# Altium PCB Steam_dev_kit_revised.PcbDoc (part 3 of 3)
Units mil, origin at the board's own origin, x right, y up, seen from the top; angles counter-clockwise.
Board outline 3928.81 x 3902.03 mil, 2 copper layers (Top Layer, Bottom Layer); 218 components, 238 nets, 968 pads, 458 vias.
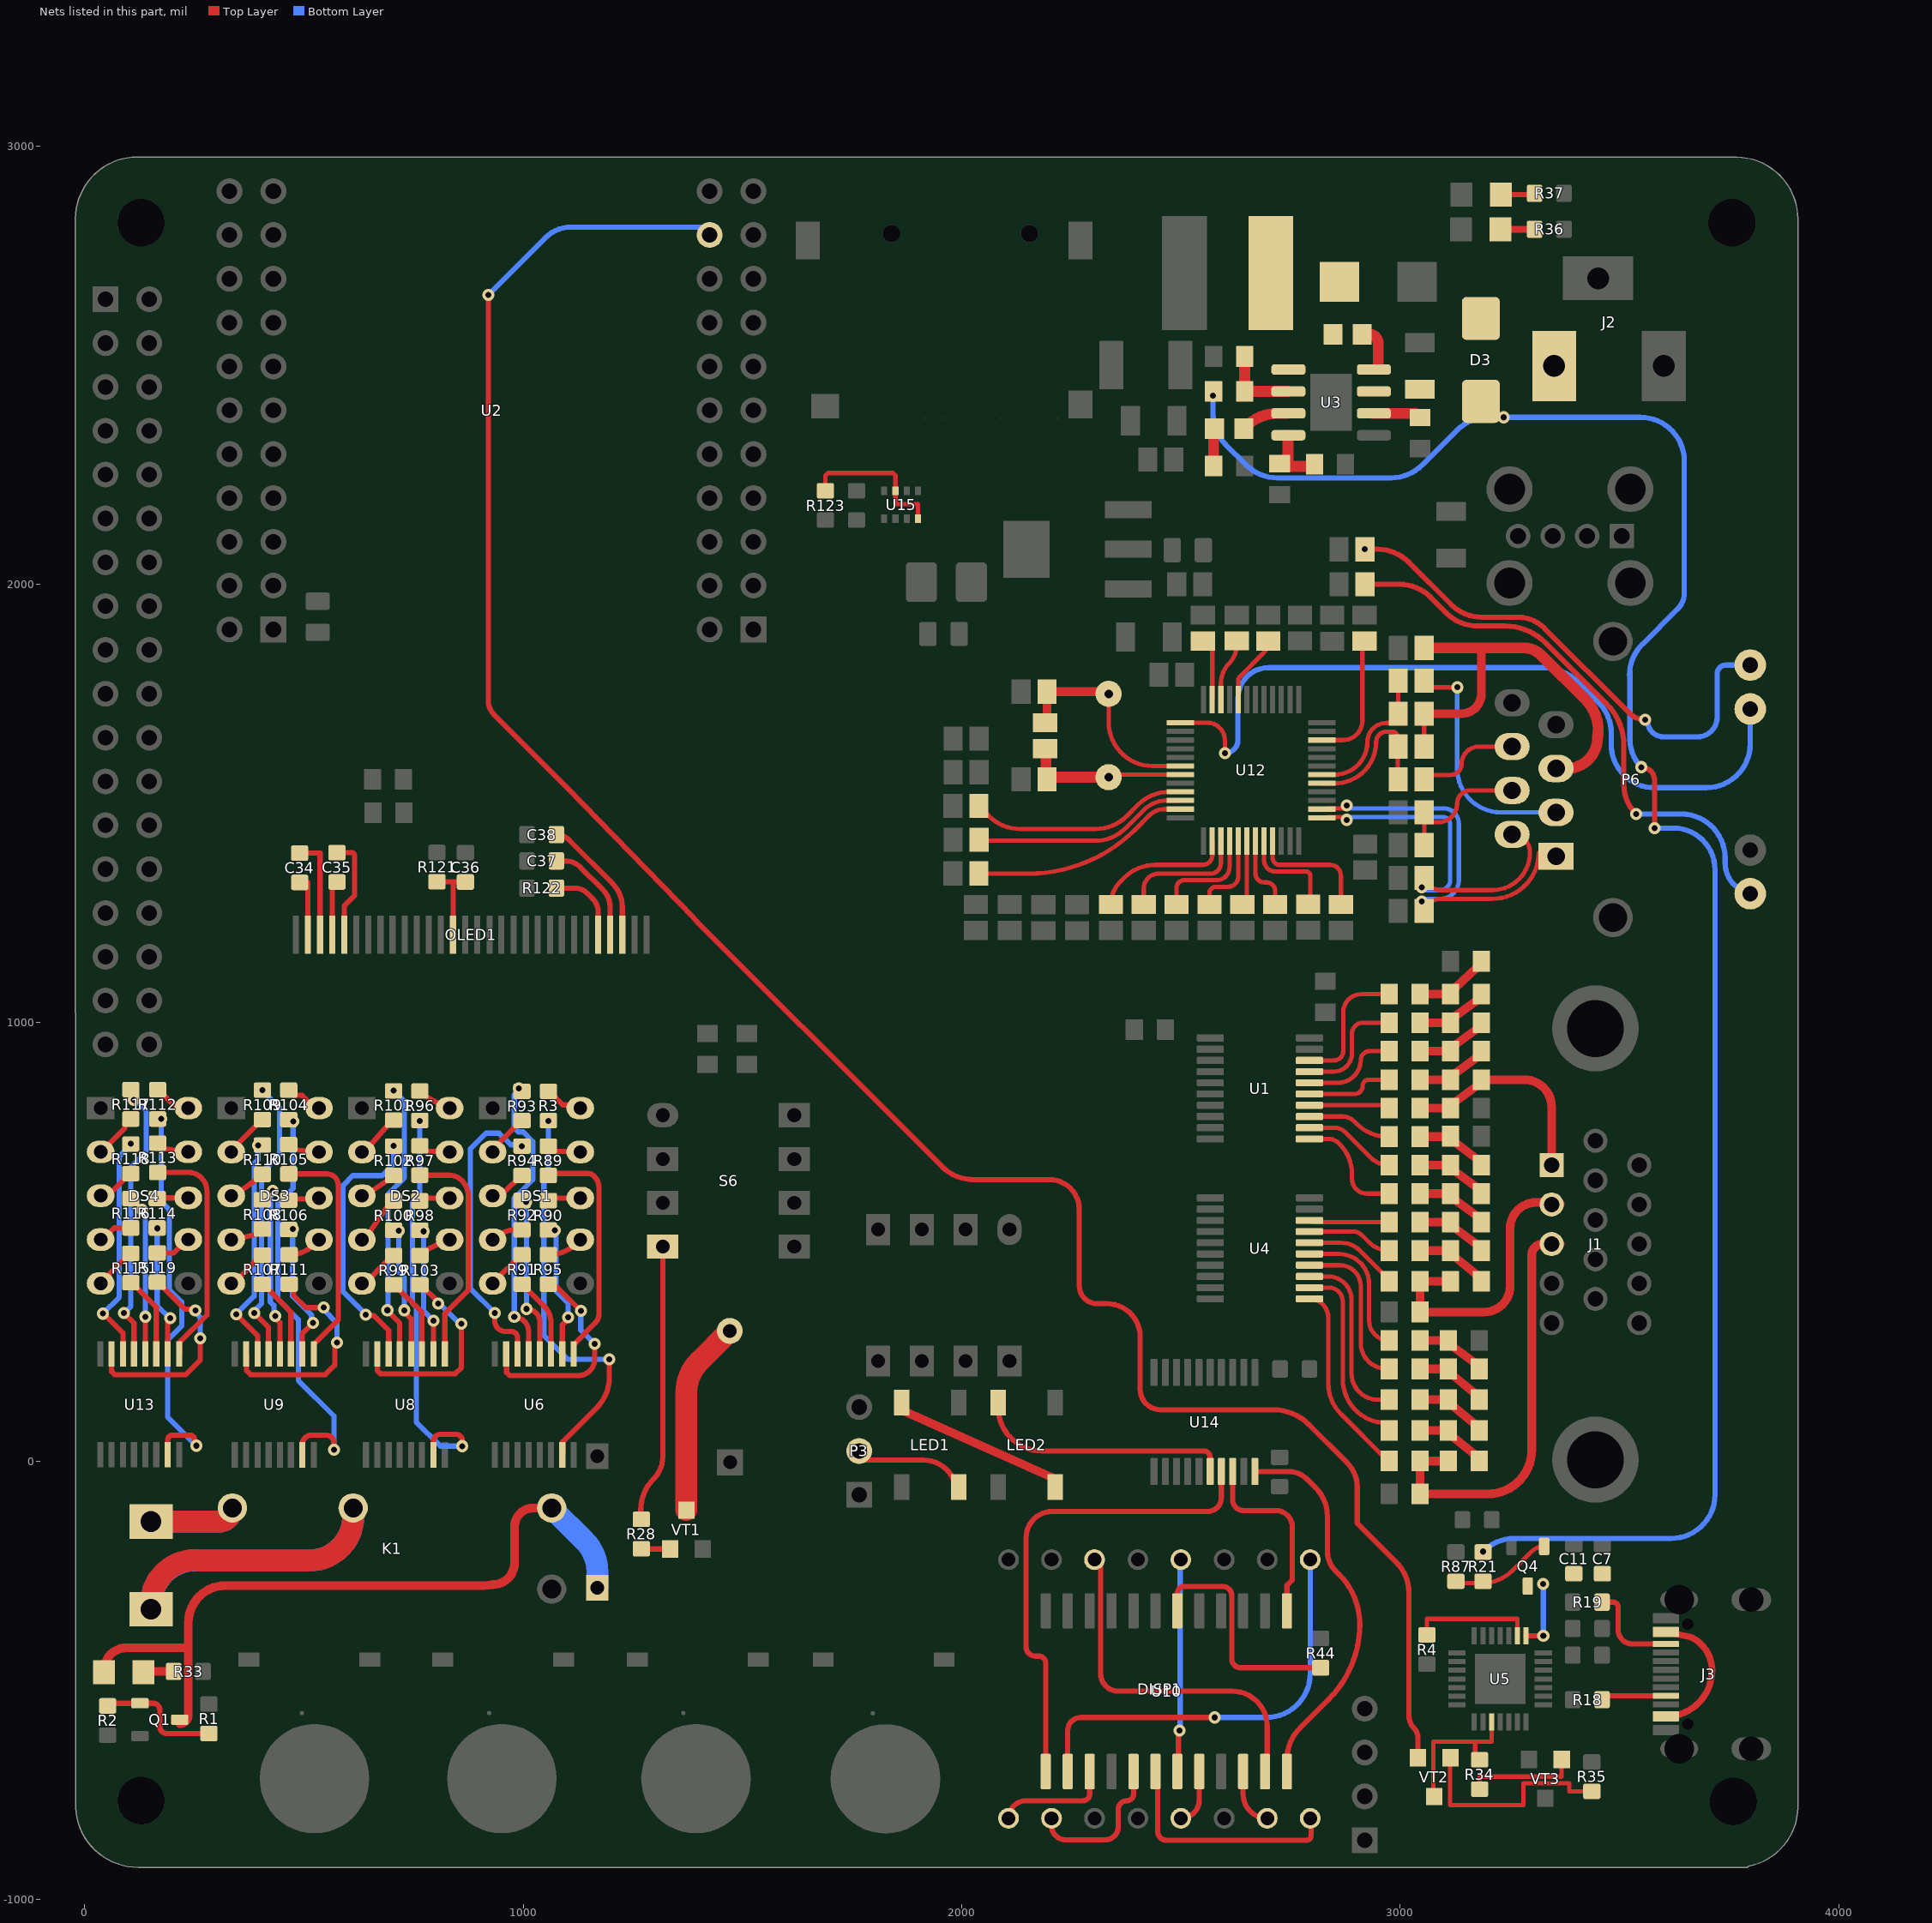
[diagram p3: the nets of this part, all layers, seen from the top]

## Via types
v1: diameter 27.56, hole 13.78, Top Layer to Bottom Layer, tented both sides, 454 vias
v2: diameter 27.56, hole 13.78, Top Layer to Bottom Layer, 2 vias
v3: diameter 140, hole 140, Top Layer to Bottom Layer, tented both sides, 2 vias

## Nets (pads, with @x,y where several pads share a name; then routed paths per layer and width w, separated by ;. In a path a pad name is that pad's centre, name@x,y a point inside that pad or via, vN(x,y) a via of type N, cw(c..) or ccw(c..) an arc to the next point about the centre after c; other vN are vias at no path point) (continued)
LINKLED: P6.11 U12.25 | length 1799.8
  Top Layer w10: U12.25@2498.58,1684.05 2560.95,1684.05 cw(c2560.95,1645) 2570.27,1682.92 cw(c2560.95,1645) 2600,1645 v1(2600,1615)
  Bottom Layer w12: v1(2600,1615) ccw(c2600,1645) 2605.21,1615.46 ccw(c2600,1645) 2627.99,1634.2 ccw(c2600,1645) 2630,1645 2630,1740 cw(c2700,1740) 2700,1810 3324.6,1810 cw(c3324.6,1693.14) 3407.23,1775.77 3452.17,1730.83 cw(c3381.46,1660.12) 3481.46,1660.12 3481.46,1634.96 ccw(c3581.46,1634.96) 3484.65,1609.92 ccw(c3581.46,1634.96) 3510.75,1564.25 ccw(c3578.95,1632.45) 3578.95,1536 3698.31,1536 ccw(c3698.31,1636) 3798.31,1636 P6.11@3798.31,1715.63
MT_CLK: U10.13 U14.18 | length 432.2
  Top Layer w12: U14.18@2617.77,-23.98 2617.77,-88 ccw(c2642.77,-88) 2632.56,-110.82 ccw(c2642.77,-88) 2642.77,-113 2716.5,-113 cw(c2716.5,-150.5) 2732.66,-116.66 cw(c2716.5,-150.5) 2750.34,-134.34 cw(c2716.5,-150.5) 2754,-150.5 2754,-271.13 2741.75,-283.38 U10.13@2741.75,-341.73
MT_CS: U10.12 U14.20 | length 880.3
  Top Layer w12: U14.20@2668.95,-23.98 2745.21,-23.98 cw(c2745.21,-83.79) 2787.5,-41.5 2807.13,-61.13 cw(c2742.26,-126) 2834,-126 2834,-205.79 ; U10.12@2741.75,-708.27 2741.75,-680.42 cw(c2841.75,-680.42) 2771.04,-609.71 2836.67,-544.08 ccw(c2665.01,-372.34) 2907.83,-372.38 ccw(c2746.79,-372.53) 2860.31,-258.31 2860.07,-258.07 2852.5,-250.5 cw(c2897.16,-205.84) 2834,-205.84
MT_DIN: U10.1 U14.17 | length 1119.5
  Top Layer w12: U10.1@2191.75,-708.27 2191.75,-461.44 ccw(c2175.31,-461.44) 2175.31,-445 2167.77,-445 cw(c2167.77,-423.98) 2146.75,-423.98 2146.75,-175 cw(c2206.75,-175) 2206.75,-115 2561,-115 ccw(c2561,-83.82) 2592.18,-83.82 U14.17@2592.18,-23.98
NetC1_1: C1.1 U3.8 | length 97.8
  Top Layer w25: C1.1@2913.46,2570 2930,2570 cw(c2930,2550) 2950,2550 U3.8@2950,2500.12
NetC1_2: C1.2 D5.2 L4.1 U3.1
NetC2_1: C2.1 U3.3 | length 109.3
  Top Layer w25: C2.1@2643.46,2355 2649.18,2360.71 cw(c2719.89,2290) 2719.89,2390 U3.3@2742.56,2390
NetC2_2: C2.2 R45.1 | length 86.1
  Top Layer w25: R45.1@2574.57,2270 2574.57,2353.03 cw(c2576.54,2353.03) C2.2@2576.54,2355
NetC29_1: C29.1 U12.20 | length 159.4
  Top Layer w10: U12.20@2630.47,1737.2 2630.47,1779.07 cw(c2645.93,1779.07) 2635,1790 2687.52,1842.52 ccw(c2659.49,1870.55) C29.1@2699.13,1870.55
NetC34_1: C34.1 OLED1.2 | length 138
  Top Layer w12: C34.1@490,1320 508.94,1320 OLED1.2@508.94,1200.98
NetC34_2: C34.2 OLED1.3 | length 232.4
  Top Layer w12: C34.2@490,1386.93 536.5,1386.93 OLED1.3@536.5,1200.98
NetC35_1: C35.1 OLED1.5 | length 233.6
  Top Layer w12: C35.1@575,1387.93 607.97,1387.93 cw(c607.97,1380.9) 615,1380.9 615,1290 591.61,1266.61 OLED1.5@591.61,1200.98
NetC35_2: C35.2 OLED1.4 | length 131
  Top Layer w12: OLED1.4@564.06,1200.98 564.06,1321 C35.2@575,1321
NetC36_2: C36.2 OLED1.14 R121.2 | length 185.8
  Top Layer w12: R121.2@803,1321.54 803.27,1321.27 840.44,1321.27 ; OLED1.14@839.65,1200.98 840.44,1201.78 840.44,1321.27 ; C36.2@868,1321 867.73,1321.27 840.44,1321.27
NetC37_1: C37.1 OLED1.27 | length 237.9
  Top Layer w12: C37.1@1075.46,1369 1095.73,1369 cw(c1095.73,1320.07) 1130.31,1354.69 ; 1130.33,1354.67 1181,1304 cw(c1140.01,1263) 1197.98,1263 OLED1.27@1197.98,1200.98
NetC38_1: C38.1 OLED1.28 | length 295
  Top Layer w12: C38.1@1075.46,1429 cw(c1075.46,1389) 1103.75,1417.28 1203.32,1317.71 cw(c1148.61,1263) 1225.98,1263 OLED1.28@1225.98,1200.98
NetD1_1: D1.1 K1.2 LED5.2 Q1.3 | length 1700.7
  Top Layer w20: LED5.2@44,-482 44,-477.21 cw(c95.21,-477.21) 59,-441 cw(c95.21,-477.21) 95.21,-426 236,-426 ; Q1.3@216.28,-599 ccw(c216.28,-579.28) 236,-579.28 236,-426 ; K1.2@1064.75,-107 1023,-107 ccw(c1023,-150) 980,-150 980,-232.29 cw(c930.4,-232.29) 965.95,-266.88 cw(c930.4,-232.29) 930.4,-281.9 cw(c910,-184) 910,-284 321,-284 ccw(c321,-369) 236,-369 236,-426
  Bottom Layer w50: K1.2@1064.75,-107 1139.71,-181.96 cw(c1069,-252.67) 1169,-252.67 D1.1@1169,-289
NetD3_A: D3.A J2.1
NetDS1_2: DS1.2 R93.1 | length 100.4
  Top Layer w12: DS1.2@930,705 943.4,718.4 943.4,724.91 995.03,776.54 R93.1@997,776.54
NetDS1_3: DS1.3 R94.1 | length 86.3
  Top Layer w12: DS1.3@930,605 937.5,612.5 955.99,612.5 995.03,651.54 R94.1@997,651.54
NetDS1_4: DS1.4 R92.1 | length 73
  Top Layer w12: DS1.4@930,505 cw(c984.41,450.59) 955.33,521.83 cw(c984.41,450.59) 984.41,527.54 R92.1@997,527.54
NetDS1_5: DS1.5 R91.1 | length 94.4
  Top Layer w12: DS1.5@930,405 930,405.43 995.03,470.46 R91.1@997,470.46
NetDS1_7: DS1.7 R95.1 | length 83.3
  Top Layer w12: R95.1@1057,470.46 ccw(c1057,563.33) 1115.13,490.91 ccw(c1057,563.33) 1122.66,497.66 DS1.7@1130,505
NetDS1_8: DS1.8 R90.1 | length 74.3
  Top Layer w12: R90.1@1057,594 1070.69,600 DS1.8@1130,600
NetDS1_9: DS1.9 R89.1 | length 77.4
  Top Layer w12: R89.1@1057,718.46 1070.69,706.75 1124.09,705 DS1.9@1130,705
NetDS1_10: DS1.10 R3.1 | length 88.5
  Top Layer w12: R3.1@1057.46,843.49 1059.43,843.49 1090.42,812.5 1122.5,812.5 DS1.10@1130,805
NetDS2_2: DS2.2 R101.1 | length 104.2
  Top Layer w12: DS2.2@632,705 637.91,705 690.31,765.82 R101.1@704,777.54
NetDS2_3: DS2.3 R102.1 | length 86.8
  Top Layer w12: DS2.3@632,605 637.91,605 690.31,639.82 R102.1@704,651.54
NetDS2_4: DS2.4 R100.1 | length 116.9
  Top Layer w12: DS2.4@632,505 637.91,505 690.31,581.75 R100.1@704,593.46
NetDS2_5: DS2.5 R99.1 | length 97.9
  Top Layer w12: DS2.5@632,405 637.91,405 690.31,457.21 R99.1@704,468.93
NetDS2_7: DS2.7 R103.1 | length 77.9
  Top Layer w12: R103.1@764.3,468.85 777.99,480.57 826.09,505 DS2.7@832,505
NetDS2_8: DS2.8 R98.1 | length 69.5
  Top Layer w12: R98.1@764,593.46 777.69,600 DS2.8@832,600
NetDS2_9: DS2.9 R97.1 | length 72.4
  Top Layer w12: R97.1@764,719 777.69,707.28 826.09,705 DS2.9@832,705
NetDS2_10: DS2.10 R96.1 | length 79.5
  Top Layer w12: R96.1@764,844 777.69,832.28 826.09,805 DS2.10@832,805
NetDS3_2: DS3.2 R109.1 | length 103.6
  Top Layer w12: DS3.2@334,705 334,708.97 403.03,778 R109.1@405,778
NetDS3_3: DS3.3 R110.1 | length 87.4
  Top Layer w12: DS3.3@334,605 339.91,605 391.31,642.28 R110.1@405,654
NetDS3_4: DS3.4 R108.1 | length 76.8
  Top Layer w12: DS3.4@334,505 339.91,505 391.31,517.35 R108.1@405,529.07
NetDS3_5: DS3.5 R107.1 | length 98
  Top Layer w12: DS3.5@334,405 339.91,405 391.31,458.28 R107.1@405,470
NetDS3_7: DS3.7 R111.1 | length 78.8
  Top Layer w12: R111.1@466,470.46 ccw(c466,551.25) 523.13,494.13 DS3.7@534,505
NetDS3_8: DS3.8 R106.1 | length 71.1
  Top Layer w12: R106.1@465,595 467.5,597.5 531.5,597.5 DS3.8@534,600
NetDS3_9: DS3.9 R105.1 | length 73.6
  Top Layer w12: R105.1@465,721.93 478.69,710.21 528.09,705 DS3.9@534,705
NetDS3_10: DS3.10 R104.1 | length 86
  Top Layer w12: R104.1@465,845.93 476.72,834.21 495.66,834.21 524.87,805 DS3.10@534,805
NetDS4_2: DS4.2 R117.1 | length 105.4
  Top Layer w12: DS4.2@36,705.3 37.17,705.3 91.31,759.44 91.31,768.58 103.03,780.3 R117.1@105,780.3
NetDS4_3: DS4.3 R118.1 | length 89.9
  Top Layer w12: DS4.3@36,605.3 52.5,605.3 103.03,655.83 R118.1@105,655.83
NetDS4_4: DS4.4 R116.1 | length 80
  Top Layer w12: DS4.4@36,505.3 40.54,505.3 67.08,531.83 R116.1@105,531.83
NetDS4_5: DS4.5 R115.1 | length 98.2
  Top Layer w12: DS4.5@36,405.3 36,406.73 103.03,473.76 R115.1@105,473.76
NetDS4_7: DS4.7 R119.1 | length 83.6
  Top Layer w12: R119.1@165,474.76 202.69,474.76 233.22,505.3 DS4.7@236,505.3
NetDS4_8: DS4.8 R114.1 | length 71.1
  Top Layer w12: R114.1@165,598.76 178.69,600.3 DS4.8@236,600.3
NetDS4_9: DS4.9 R113.1 | length 75
  Top Layer w12: R113.1@166,725.3 179.69,713.58 230.09,705.3 DS4.9@236,705.3
NetDS4_10: DS4.10 R112.1 | length 87.4
  Top Layer w12: R112.1@166,847.23 167.97,847.23 202.4,812.8 228.5,812.8 DS4.10@236,805.3
NetJ3_A5: J3.A5 R18.2 | length 148.6
  Top Layer w12: R18.2@3460.46,-544.45 3472.18,-535.43 J3.A5@3606,-535.43
NetJ3_B5: J3.B5 R19.2 | length 222
  Top Layer w12: R19.2@3460.46,-322 3486.06,-322 cw(c3486.06,-332.94) 3497,-332.94 3497,-384.32 ccw(c3530,-384.32) 3501.64,-401.2 ccw(c3530,-384.32) 3530,-417.32 J3.B5@3606,-417.32
NetL1_2: L1.2 R36.2 | length 77.5
  Top Layer w15: L1.2@3229,2810 R36.2@3306.54,2810
NetL2_2: L2.2 R37.2 | length 78.2
  Top Layer w12: L2.2@3230,2889 3303.54,2889 ccw(c3303.54,2892) R37.2@3306.54,2892
NetLED1_2-DOUT: LED1.2-DOUT P3.2 | length 266.8
  Top Layer w12: P3.2@1766,2 1912.95,2 1913.02,2 cw(c1913.02,-73) 1988.02,-73.34 LED1.2-DOUT@1988.01,-74.93
NetLED1_4-DIN: LED1.4-DIN LED2.2-DOUT | length 411.7
  Top Layer w20: LED1.4-DIN@1860.04,133.46 1867.76,113.93 2205.24,-36.93 LED2.2-DOUT@2212.96,-56.46
NetLED5_1: LED5.1 R33.1 | length 69.7
  Top Layer w12: LED5.1@134,-482 cw(c136,-482) LED5.1@136,-480
  Top Layer w20: LED5.1@136,-480 R33.1@202.54,-480
NetLS1_2: LS1.2 VT1.3 | length 445.7
  Top Layer w50: VT1.3@1372,-112 1372,156.58 cw(c1472,156.58) 1401.29,227.29 LS1.2@1471,297
NetOLED1_26: OLED1.26 R122.1 | length 176.3
  Top Layer w12: R122.1@1075.46,1307 1117.74,1307 cw(c1117.74,1267.74) 1145.48,1295.52 1158.24,1282.76 cw(c1127.48,1252) 1170.98,1252 OLED1.26@1170.98,1200.98
NetP6_9: P6.9 R5.2 | length 1308
  Top Layer w12: R5.2@2919.53,2000 2998.58,2000 cw(c2998.58,1900) 3069.29,1970.71 3105.71,1934.29 ccw(c3176.42,2005) 3176.42,1905 3238.58,1905 cw(c3238.58,1773.61) 3331.48,1866.52 3471.52,1726.48 cw(c3378.61,1633.58) 3510,1633.58 3510,1543.6 ccw(c3605.6,1543.6) v1(3538,1476)
  Bottom Layer w12: v1(3538,1476) 3641,1476 cw(c3641,1376) 3741,1376 3741,1364.58 ccw(c3811.44,1364.58) 3811.44,1294.13 P6.9@3817.99,1294.13
NetP6_12: P6.12 R6.2 | length 1203.4
  Top Layer w12: v1(2919.53,2080) 2948.58,2080 cw(c2948.58,1980) 3019.29,2050.71 3115.71,1954.29 ccw(c3186.42,2025) 3186.42,1925 3269,1925 cw(c3269,1840.5) 3328.75,1900.25 3523.15,1705.85 ccw(c3559,1741.7) v1(3559,1691)
  Bottom Layer w12: v1(3559,1691) ccw(c3561,1691) 3561,1689 3564,1689 ccw(c3601,1689) 3601,1652 3678,1652 ccw(c3678,1697) 3723,1697 3723,1796 cw(c3742.76,1796) 3742.76,1815.76 P6.12@3798.31,1815.76 P6.12@3817.99,1815.76
NetQ1_1: Q1.1 R1.2 R2.2 | length 290.1
  Top Layer w12: R2.2@52,-558.54 cw(c57.94,-558.54) 57.94,-552.6 Q1.1@125.72,-552.6 155.72,-552.6 cw(c155.72,-567.88) 171,-567.88 171,-606 ccw(c186.46,-606) 186.46,-621.46 R1.2@283,-621.46
NetQ4_1: Q4.1 R21.2 R87.1 | length 236.4
  Top Layer w10: R87.1@3121,-280 cw(c3124.71,-283.71) 3124.71,-278.46 3186,-278.46 3186.11,-278.46 ccw(c3186.11,-178.46) 3256.82,-249.18 3299.17,-206.83 cw(c3328.4,-236.07) Q4.1@3328.4,-194.72
NetR3_2: R3.2 U6.15 | length 924.3
  Top Layer w12: v1(1057.46,775.57) R3.2@1057.46,776.56 ; U6.15@1089,14 1090,15 1090,44 1166.93,120.93 ccw(c1096.22,191.64) 1196.22,191.64 v1(1196.22,232)
  Bottom Layer w12: v1(1057.46,775.57) 1057.46,653.46 1047,643 1047,286.5 1101.5,232 v1(1196.22,232)
NetR4_1: R4.1 U5.9 | length 281.5
  Top Layer w10: R4.1@3061,-396.54 3061,-360 3267.36,-360 U5.9@3267.36,-398.58
NetR13_2: R13.2 R49.2 U3.2 | length 177.1
  Top Layer w25: R49.2@2645.43,2520 R13.2@2645.43,2440 U3.2@2742.56,2440
NetR14_1: R14.1 R15.2 R22.1 | length 172.8
  Top Layer w19.68: R22.1@3045.43,1065 R15.2@3114.57,1065
  Top Layer w20: R15.2@3114.57,1065 3124.25,1078.62 3175.75,1126.38 R14.1@3185.43,1140
NetR15_1: R15.1 R16.2 R24.1 | length 166.4
  Top Layer w19.68: R24.1@3045.43,1000 R16.2@3114.57,1000 3124.41,1013.78 3175.59,1051.22 R15.1@3185.43,1065
NetR16_1: R16.1 R17.2 R25.1 | length 166.4
  Top Layer w19.68: R25.1@3045.43,935 R17.2@3114.57,935 3124.41,948.78 3175.59,986.22 R16.1@3185.43,1000
NetR17_1: R17.1 R20.2 R27.1 | length 166.4
  Top Layer w19.68: R27.1@3045.43,870 R20.2@3114.57,870 3124.41,883.78 3175.59,921.22 R17.1@3185.43,935
NetR28_2: R28.2 VT1.1 | length 69.1
  Top Layer w12: R28.2@1269.12,-199.93 1269.12,-200.58 VT1.1@1334.6,-200.58 ccw(c1331.9,-203.28) VT1.1@1331.9,-199.46
NetR31_1: R31.1 R47.1 U3.4 | length 138.7
  Top Layer w25: R31.1@2725,2275.43 2732.19,2282.62 2738.53,2282.62 R31.1@2740.23,2284.32 ; R31.1@2744.23,2269.17 2797.38,2269.17 R47.1@2804.57,2274 ; R31.1@2744.23,2281.32 U3.4@2744.23,2339.31
NetR34_2: R34.2 VT3.1 | length 255.2
  Top Layer w10: R34.2@3181,-748.46 3181,-720 3368.4,-720 VT3.1@3368.4,-680.71
NetR35_1: R35.1 VT2.1 | length 500.4
  Top Layer w10: VT2.1@3113.4,-675.71 3113.4,-785 3281,-785 3281,-735 3386,-735 3386,-753.46 R35.1@3436,-753.46
NetR38_1: R38.1 R39.2 R66.1 | length 167.1
  Top Layer w19.68: R66.1@3045.43,740 3055.28,740.15 3104.72,740.15 R38.1@3114.57,741.02 3124.41,727.24 3175.59,688.78 R39.2@3185.43,675
NetR39_1: R39.1 R40.2 R68.1 | length 166.4
  Top Layer w19.68: R68.1@3045.43,675 R39.1@3114.57,675 3124.41,661.22 3175.59,623.78 R40.2@3185.43,610
NetR40_1: R40.1 R41.2 R70.1 | length 166.4
  Top Layer w19.68: R70.1@3045.43,610 R40.1@3114.57,610 3124.41,596.22 3175.59,558.78 R41.2@3185.43,545
NetR41_1: R41.1 R42.2 R71.1 | length 166.4
  Top Layer w19.68: R71.1@3045.43,545 R41.1@3114.57,545 3124.41,531.22 3175.59,493.78 R42.2@3185.43,480
NetR42_1: R42.1 R43.2 R72.1 | length 169.5
  Top Layer w19.68: R72.1@3045.43,480 R42.1@3114.57,480 3124.41,466.22 3175.59,423.78 R43.2@3185.43,410
NetR44_2: R44.2 U10.18 | length 543.8
  Top Layer w12: U10.18@2491.75,-341.73 2491.75,-302 cw(c2507.75,-302) 2507.75,-286 2594.89,-286 cw(c2594.89,-306.86) 2615.75,-306.86 2615.75,-451.47 ccw(c2635.75,-451.47) 2635.75,-471.46 R44.2@2818.75,-471.46
NetR51_1: R51.1 U12.42 | length 150.6
  Top Layer w10: R51.1@2640,1269.53 ccw(c2640,1279.69) 2650.16,1279.69 U12.42@2650.16,1414.36
NetR52_1: R52.1 U12.41 | length 194.1
  Top Layer w10: R52.1@2565,1269.53 2565,1295.12 cw(c2579.88,1295.12) 2579.88,1310 2607.5,1310 ccw(c2607.5,1332.97) 2630.47,1332.97 U12.41@2630.47,1414.36
NetR53_1: R53.1 U12.40 | length 245.4
  Top Layer w10: R53.1@2490,1269.53 2490,1307.93 cw(c2507.07,1307.93) 2495,1320 cw(c2507.07,1307.93) 2507.07,1325 2580.79,1325 ccw(c2580.79,1355) 2610.79,1355 U12.40@2610.79,1414.36
NetR54_1: R54.1 U12.39 | length 262.9
  Top Layer w10: R54.1@2415,1269.53 2415,1305.86 cw(c2449.14,1305.86) 2425,1330 cw(c2449.14,1305.86) 2449.14,1340 2567.5,1340 ccw(c2567.5,1363.6) 2591.1,1363.6 2591.1,1381.1
NetR55_1: R55.1 U12.38 | length 324.5
  Top Layer w10: R55.1@2340,1269.53 cw(c2413.57,1269.53) 2361.55,1321.55 2370.77,1330.77 cw(c2441.33,1260.22) 2441.33,1360 2550,1360 ccw(c2550,1381.42) 2571.42,1381.42 U12.38@2571.42,1414.36
NetR63_2: R63.2 U12.10 | length 302
  Top Layer w10: U12.10@2821.42,1644.68 2869.66,1644.68 ccw(c2869.66,1688.78) 2889.19,1649.24 ccw(c2869.66,1688.78) 2913.76,1688.78 2913.76,1865.79 cw(c2918.53,1865.79) R63.2@2918.53,1870.55
NetR67_2: R67.2 U12.23 | length 145.5
  Top Layer w10: R67.2@2550,1870.47 cw(c2550,1849.05) 2571.42,1849.05 U12.23@2571.42,1737.2
NetR75_1: R75.1 R76.2 R80.1 | length 161.4
  Top Layer w19.68: R80.1@3045.43,275 R75.1@3109.57,275 3119.41,261.22 3170.59,223.78 R76.2@3180.43,210
NetR76_1: R76.1 R77.2 R81.1 | length 164.5
  Top Layer w20: R81.1@3045.43,210 R76.1@3109.57,210 3119.25,196.38 3170.75,153.62 R77.2@3180.43,140
NetR77_1: R77.1 R78.2 R82.1 | length 164.5
  Top Layer w20: R82.1@3045.43,140 R77.1@3109.57,140 3119.25,126.38 3170.75,83.62 R78.2@3180.43,70
NetR78_1: R78.1 R79.2 R83.1 | length 164.5
  Top Layer w20: R83.1@3045.43,70 R78.1@3109.57,70 3119.25,56.38 3170.75,13.62 R79.2@3180.43,0
NetR86_2: R86.2 U3.6 | length 115.9
  Top Layer w25: U3.6@2937.44,2390 3030.43,2390 cw(c3030.43,2375.43) R86.2@3045,2375.43
NetR89_2: R89.2 U6.1 | length 539.6
  Top Layer w12: R89.2@1057,651.54 1061.46,656 1147.98,656 cw(c1147.98,639.05) 1155.87,654.05 cw(c1147.98,639.05) 1159.96,651.04 1163.01,647.99 cw(c1140.1,625.08) 1172.5,625.08 1172.5,334.8 cw(c1145.2,334.8) 1164.5,315.5 1115,266 U6.1@1115,244
NetR90_2: R90.2 U6.2 | length 300
  Top Layer w12: U6.2@1089,244 1089,310.79 1102.04,323.83 v1(1102.04,328.04)
  Bottom Layer w12: v1(1071.78,526.09) 1074.76,523.11 1074.76,387.75 1102.04,360.46 v1(1102.04,328.04)
NetR91_2: R91.2 U6.3 | length 185.9
  Top Layer w12: R91.2@997,403.54 998.97,403.54 1010.69,391.82 1010.69,389.85 1048.48,352.05 cw(c1013.42,317) 1063,317 U6.3@1063,244
NetR92_2: R92.2 U6.4 | length 365
  Top Layer w12: v1(1007.44,347) cw(c1007.44,316.44) 1011.99,346.66 cw(c1007.44,316.44) 1036.62,325.51 cw(c1007.44,316.44) 1038,316.44 U6.4@1038,244
  Bottom Layer w12: v1(1006,591) 1007.44,589.56 v1(1007.44,347)
NetR93_2: R93.2 U6.5 | length 670.2
  Top Layer w12: v1(979.52,328.52) cw(c979.52,296.04) 980.49,328.51 cw(c979.52,296.04) 1011.99,297.01 cw(c979.52,296.04) 1012,296.04 U6.5@1012,244
  Bottom Layer w12: v1(979.52,328.52) 979.52,599.57 1021.78,641.82 1021.78,728.73 999.56,750.94 988.56,750.94 979.52,759.98 979.52,835.31 990,845.79 v1(990,849.87)
NetR94_2: R94.2 U6.6 | length 671.4
  Top Layer w12: v1(935,338) 935,319.92 ccw(c959.27,319.92) 959.27,295.65 972.19,295.65 cw(c972.19,280.85) 987,280.85 U6.6@987,244